# Altium PCB Original PCB.PcbDoc (part 2 of 2)
Units mm, origin at the board's own origin, x right, y up, seen from the top; angles counter-clockwise.
Board outline 135 x 90 mm, 2 copper layers (Top Layer, Bottom Layer); 88 components, 90 nets, 362 pads, 222 vias.
Unrouted connection lines stored in the file: 4.
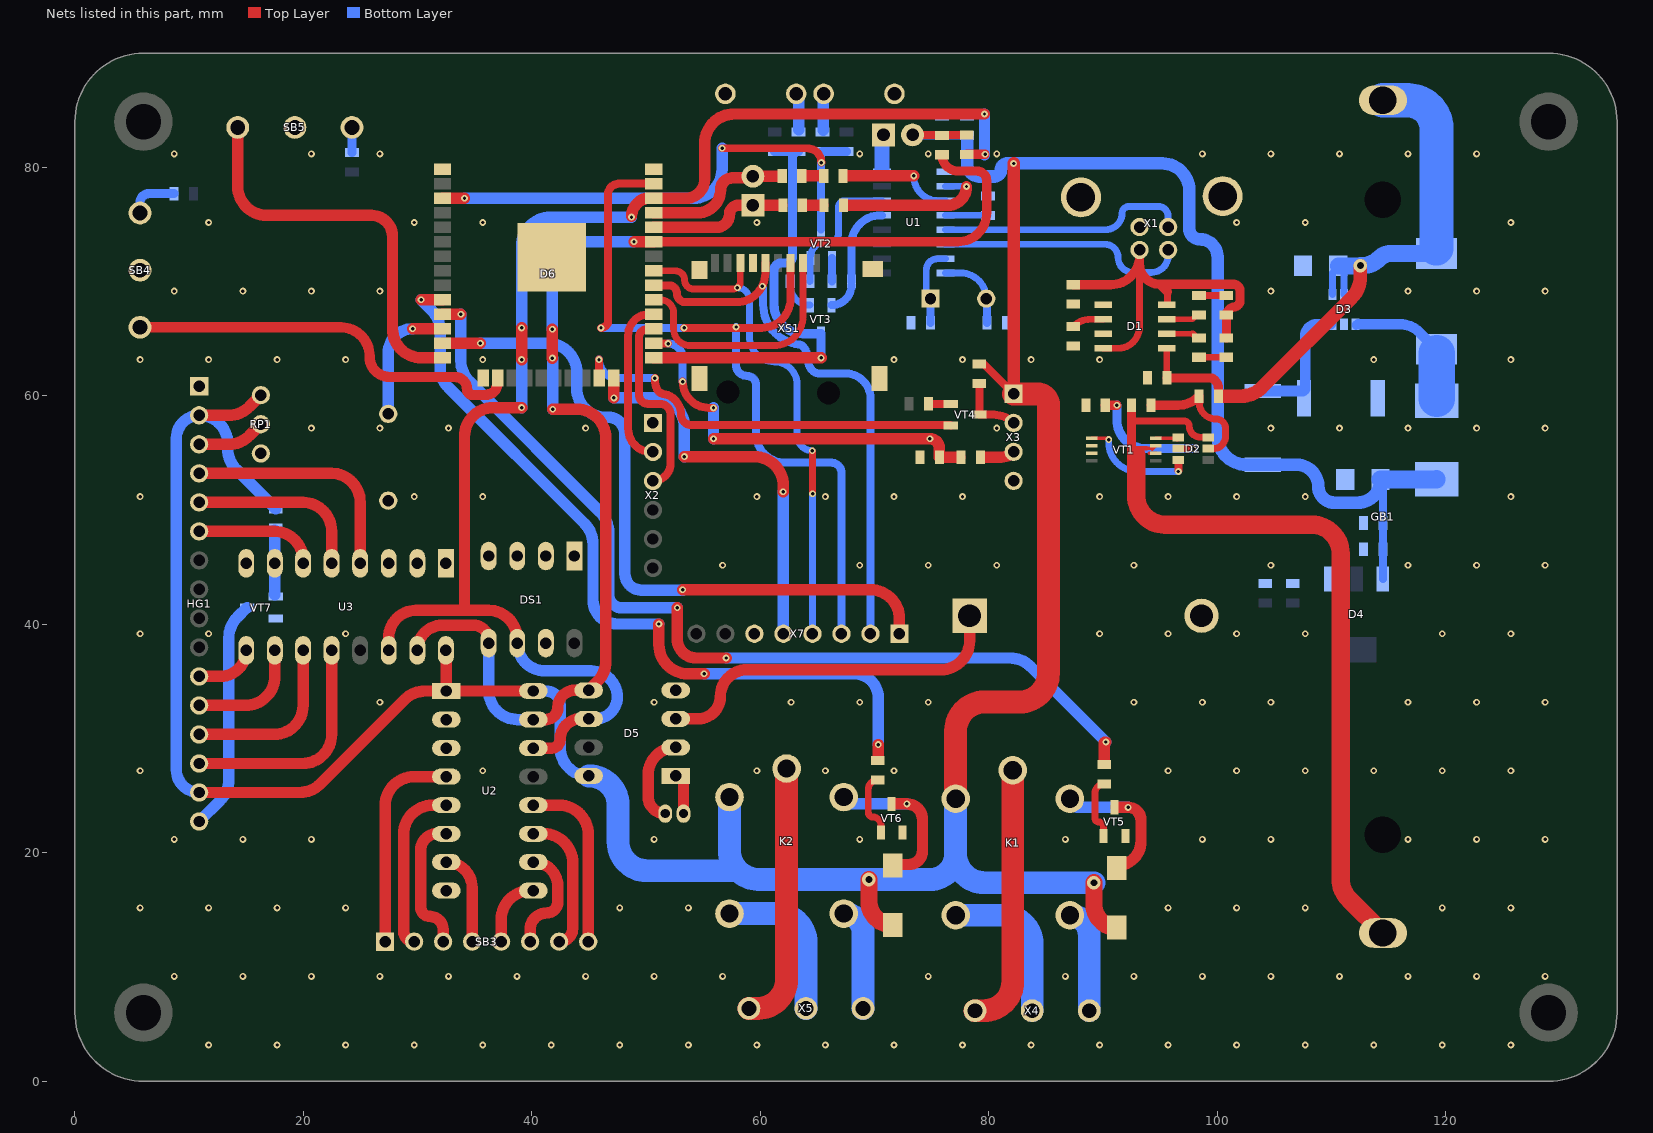
[diagram p2: the nets of this part, all layers, seen from the top]

## Via types
v1: diameter 0.6, hole 0.3, Top Layer to Bottom Layer, 159 vias
v2: diameter 0.6, hole 0.3, Top Layer to Bottom Layer, tented both sides, 60 vias
v3: diameter 1.2, hole 0.6, Top Layer to Bottom Layer, tented both sides, 3 vias

## Nets (pads, with @x,y where several pads share a name; then routed paths per layer and width w, separated by ;. In a path a pad name is that pad's centre, name@x,y a point inside that pad or via, vN(x,y) a via of type N, cw(c..) or ccw(c..) an arc to the next point about the centre after c; other vN are vias at no path point) (continued)
+5: D4.3 D5.8 HG1.2 HG1.15 J1.2 K1.2 K2.2 R7.2 R16.2 R24.1 R25.1 R26.1 RP1.1 U2.1 U2.16 U3.16 VD1.2 VD2.2 VD3.2 X3.1 С5.1 С6.1 С7.2 С11.2 С12.2 | length 331
  Top Layer w0.7: J1.2@73.325,82.85 75.85,82.85 cw(c75.85,82.8) R25.1@75.9,82.8 cw(c75.925,82.8) 75.925,82.825 R26.1@78.075,82.825 ; R16.2@79.172,62.796 79.552,62.796 X3.1@82.172,60.176
  Top Layer w1: HG1.15@10.872,25.278 19.676,25.278 ccw(c19.676,27.818) 21.472,26.022 28.869,33.419 cw(c30.665,31.623) 30.665,34.163 U2.1@32.517,34.163 ; HG1.2@10.872,58.298 13.46,58.298 ccw(c13.46,60.838) 15.256,59.042 RP1.1@16.272,60.058 ; U3.16@32.472,37.718 cw(c32.472,37.673) 32.517,37.673 U2.1@32.517,34.163 ; U2.16@40.137,34.163 U2.1@32.517,34.163
  Top Layer w1.1: X3.1@82.172,60.176 v2(82.172,80.338)
  Top Layer w1.5: v3(69.5,17.656) 69.5,15.775 ccw(c71.6,15.775) VD3.2@71.6,13.675 ; v3(89.2,17.375) 89.2,15.475 ccw(c91.2,15.475) VD2.2@91.2,13.475
  Top Layer w2: K1.2@77.1,24.725 77.1,30.66 cw(c79.64,30.66) 79.64,33.2 82.685,33.2 ccw(c82.685,35.74) 85.225,35.74 85.225,59.2 ccw(c84.248,59.2) 84.248,60.176 X3.1@82.172,60.176
  Bottom Layer w0.7: J1.2@73.375,82.8 С12.2@75.9,82.8 С11.2@78.1,82.8 ; D4.3@114.5,43.975 С7.2@114.5,46.575 С6.1@114.5,48.875 114.5,51.75
  Bottom Layer w1: HG1.15@10.872,25.278 cw(c10.872,27.275) 8.875,27.275 8.875,56.271 cw(c10.902,56.271) 10.872,58.297 cw(c10.902,56.271) 10.902,58.298 cw(c10.902,55.825) 13.375,55.825 13.375,55.367 ccw(c15.915,55.367) 14.119,53.571 R24.1@17.572,50.118 ; U2.16@40.137,34.163 41.237,34.163 cw(c41.237,32.925) 42.475,32.925 42.475,29.225 ccw(c44.975,29.225) D5.8@44.975,26.725
  Bottom Layer w1.1: J1.2@73.325,82.85 ccw(c73.375,82.85) J1.2@73.375,82.8 ; С11.2@78.107,82.528 78.1,82.528 78.1,80.275 ccw(c79.175,80.275) 79.175,79.2 80.49,79.2 ccw(c80.49,79.764) 81.054,79.764 cw(c81.64,79.764) 81.64,80.35 95.175,80.35 cw(c95.175,77.975) 97.55,77.975 97.55,74.65 ccw(c98.5,74.65) 98.5,73.7 cw(c98.5,72.175) 100.025,72.175 100.025,56.515 ccw(c102.565,56.515) 102.565,53.975 R7.2@104,53.975 106.925,53.975 cw(c106.925,52.05) 108.85,52.05 ccw(c110.25,52.05) 110.25,50.65 112.275,50.65 ccw(c112.275,52.675) С5.1@114.3,52.675
  Bottom Layer w1.6: С5.1@114.3,52.675 119.17,52.675 ccw(c119.17,52.705) VD1.2@119.2,52.705
  Bottom Layer w2: D5.8@44.975,26.725 45.01,26.725 cw(c45.01,24.185) 47.55,24.185 47.55,20.965 ccw(c50.09,20.965) 50.09,18.425 57.95,18.425 ; K2.2@57.301,24.875 57.301,20.215 ccw(c59.841,20.215) 59.841,17.675 v3@69.499,17.675 ; v3(69.5,17.656) 74.841,17.656 ccw(c74.841,19.915) 77.1,19.915 ; K1.2@77.1,24.725 77.1,19.915 ; v3(89.2,17.375) 79.64,17.375 cw(c79.64,19.915) 77.1,19.915
GND: C13.2 D1.1 D1.3 D3.2 D4.1 D5.4 D6.1 D6.15 D6.38 DS1.1 DS1.2 DS1.3 DS1.4 DS1.7 GB2.1 HA1.2 HG1.1 R3.1 R4.1 R6.2 R19.1 RP1.3 SB1.2 SB2.2 SB4.2 SB5.2 U1.1 U2.2 U2.3 U2.8 U3.1 U3.2 U3.3 U3.8 VT1.6 VT1.7 VT5.1 VT6.1 VT7.1 X1.4 X2.1 X3.4 X7.6 XS1.6 С1.2 С3.2 С4.2 С5.2 С6.2 С7.1 С8.1 С9.2 С10.1 С11.1 С12.1 С14.2
  other v1: 11.7,3.175 17.7,3.175 23.7,3.175 29.7,3.175 35.7,3.175 41.7,3.175 47.7,3.175 53.7,3.175 59.7,3.175 65.7,3.175 71.7,3.175 77.7,3.175 83.7,3.175 89.7,3.175 95.7,3.175 101.7,3.175 107.7,3.175 113.7,3.175 119.7,3.175 125.7,3.175 8.7,9.175 14.7,9.175 20.7,9.175 26.7,9.175 32.7,9.175 38.7,9.175 44.7,9.175 50.7,9.175 56.7,9.175 74.7,9.175 86.7,9.175 92.7,9.175 98.7,9.175 104.7,9.175 110.7,9.175 116.7,9.175 122.7,9.175 128.7,9.175 5.7,15.175 11.7,15.175 17.7,15.175 23.7,15.175 47.7,15.175 53.7,15.175 95.7,15.175 101.7,15.175 107.7,15.175 119.7,15.175 125.7,15.175 8.7,21.175 14.7,21.175 20.7,21.175 50.7,21.175 68.7,21.175 86.7,21.175 98.7,21.175 104.7,21.175 116.7,21.175 122.7,21.175 128.7,21.175 5.7,27.175 35.7,27.175 59.7,27.175 65.7,27.175 71.7,27.175 95.7,27.175 101.7,27.175 107.7,27.175 113.7,27.175 119.7,27.175 125.7,27.175 26.7,33.175 50.7,33.175 62.7,33.175 68.7,33.175 74.7,33.175 92.7,33.175 98.7,33.175 104.7,33.175 116.7,33.175 122.7,33.175 128.7,33.175 5.7,39.175 11.7,39.175 23.7,39.175 89.7,39.175 95.7,39.175 101.7,39.175 107.7,39.175 119.7,39.175 125.7,39.175 56.7,45.175 68.7,45.175 74.7,45.175 80.7,45.175 92.7,45.175 104.7,45.175 116.7,45.175 122.7,45.175 128.7,45.175 5.7,51.175 29.7,51.175 35.7,51.175 59.7,51.175 65.7,51.175 71.7,51.175 77.7,51.175 89.7,51.175 95.7,51.175 101.7,51.175 107.7,51.175 125.7,51.175 20.7,57.175 26.7,57.175 32.7,57.175 44.7,57.175 80.7,57.175 104.7,57.175 110.7,57.175 116.7,57.175 122.7,57.175 128.7,57.175 5.7,63.175 11.7,63.175 17.7,63.175 23.7,63.175 35.7,63.175 71.7,63.175 77.7,63.175 83.7,63.175 89.7,63.175 113.7,63.175 125.7,63.175 8.7,69.175 14.7,69.175 20.7,69.175 26.7,69.175 104.7,69.175 116.7,69.175 122.7,69.175 128.7,69.175 11.7,75.175 29.7,75.175 35.7,75.175 59.7,75.175 101.7,75.175 107.7,75.175 125.7,75.175 8.7,81.175 20.7,81.175 26.7,81.175 68.7,81.175 74.7,81.175 80.7,81.175 98.7,81.175 104.7,81.175 110.7,81.175 116.7,81.175 122.7,81.175
NetD1_2: D1.2 R3.2 | length 2.8
  Top Layer w0.6: R3.2@87.4,66.075 cw(c88.933,64.542) 88.933,66.71 D1.2@90.025,66.71
NetD1_4: D1.4 D1.8 HL1.1 HL2.1 X1.1 С1.1 | length 34.6
  Top Layer w0.6: D1.4@90.025,64.17 91.381,64.17 ccw(c91.381,65.894) 92.6,64.675 ccw(c91.151,66.124) 93.2,66.124 93.2,71.549 ; D1.8@95.637,67.98 95.637,69.112
  Top Layer w0.8: С1.1@87.4,69.725 90.66,69.725 ccw(c90.66,72.265) 93.2,72.265 93.2,71.549 ccw(c94.985,71.549) 94.985,69.765 ; 95.637,69.112 94.985,69.765 ; HL1.1@100.8,65.075 HL2.1@100.8,67.075 cw(c101.595,66.988) 101.484,67.781 ccw(c101.4,68.375) 102,68.375 102,69.175 ccw(c101.4,69.175) 101.4,69.775 94.995,69.775 94.985,69.765
NetD1_5: D1.5 D3.4 D3.5 GB1.2 L1.2 R5.2 С3.1 С4.1 | length 56.3
  Top Layer w0.6: D1.5@95.575,64.17 95.575,61.6 С3.1@95.6,61.575
  Top Layer w0.8: С3.1@95.6,61.575 99.317,61.575 cw(c99.317,60.892) 99.8,61.375 cw(c99.076,60.65) 100.1,60.65
  Top Layer w1.2: R5.2@100.338,59.975 102.098,59.975 ccw(c102.098,62.515) 103.894,60.719 111.781,68.606 ccw(c109.985,70.402) 112.525,70.402 v3(112.525,71.4) ; GB1.2@113.727,85.875 GB1.2@114.5,85.875
  Bottom Layer w0.6: D3.4@110.1,68.875 110.1,70.775 С4.1@110.6,71.275 ; D3.5@111.1,68.875 С4.1@111.1,70.775
  Bottom Layer w1.5: С4.1@110.6,71.375 111.1,71.375 v3@112.426,71.375 ; v3(112.525,71.4) 112.666,71.4 ccw(c112.666,73.534) 114.175,72.025 cw(c115.261,70.938) 115.261,72.475 119.152,72.475 L1.2@119.2,72.475
  Bottom Layer w3: GB1.2@114.5,85.875 116.66,85.875 cw(c116.66,83.335) 119.2,83.335 119.2,72.938 cw(c119.152,72.938) L1.2@119.152,72.89
NetD1_6: D1.6 R1.2 | length 3
  Top Layer w0.5: D1.6@95.575,65.44 R1.2@97.835,65.44
  Top Layer w0.6: R1.2@97.835,65.44 98.2,65.075 R1.2@98.4,65.075
NetD1_7: D1.7 R2.2 | length 3
  Top Layer w0.5: D1.7@95.575,66.71 97.835,66.71 98.2,67.075 R2.2@98.4,67.075
NetD2_1: D2.1 VT1.4 | length 2
  Top Layer w0.3: VT1.4@94.6,56.275 D2.1@96.5,56.275
  Top Layer w0.5: D2.1@96.5,56.275 D2.1@96.6,56.375
NetD2_2: D2.2 R4.2 | length 11.7
  Top Layer w0.6: D2.2@96.6,55.375 v2(97.9,55.375)
  Top Layer w0.8: R4.2@90.2,59.175 v2(91.209,59.175)
  Bottom Layer w0.8: v2(91.209,59.175) 91.209,57.915 ccw(c93.749,57.915) 93.749,55.375 v2(97.9,55.375)
NetD2_3: D2.3 VT1.5 | length 10.3
  Top Layer w0.3: VT1.5@89,56.275 90.319,56.275 90.419,56.175 v2(90.5,56.175)
  Top Layer w0.7: v2@96.6,53.475 D2.3@96.6,54.375
  Bottom Layer w0.6: v2(90.5,56.175) 90.5,55.915 ccw(c93.04,55.915) 93.04,53.375 v2(96.6,53.375)
NetD2_5: D2.5 R5.1 С2.2 | length 11
  Top Layer w0.6: R5.1@98.4,59.475 ccw(c99.9,59.475) 99.9,57.975 cw(c99.9,57.15) 100.725,57.15 100.725,56.45 cw(c99.65,56.45) D2.5@99.65,55.375
  Top Layer w0.8: С2.2@94.2,59.175 96.548,59.175 ccw(c96.548,61.715) 98.344,59.919 R5.1@98.4,59.975 98.4,59.973 R5.1@98.4,59.475
NetD2_6: D2.6 GB1.1 VT1.2 VT1.3 С2.1 | length 73
  Top Layer w0.3: 94.037,54.975 VT1.2@94.6,54.975 ; 94.037,55.409 94.247,55.409 94.315,55.34 VT1.3@94.6,55.625
  Top Layer w0.4: 92.902,55.407 93.843,55.407
  Top Layer w0.6: 92.5,57.8 97.1,57.8 cw(c97.1,57.35) 97.55,57.35 ccw(c98.525,57.35) 98.525,56.375 D2.6@99.2,56.375
  Top Layer w0.8: 92.5,54.824 92.5,57.8 С2.1@92.5,59.175
  Top Layer w1.6: 92.902,54.797 92.902,51.265 ccw(c95.442,51.265) 95.442,48.725 108.26,48.725 cw(c108.26,46.185) 110.8,46.185 110.8,17.727 ccw(c113.34,17.727) 111.544,15.931 GB1.1@114.5,12.975
NetD3_1: D3.1 L1.1 VD1.1 | length 11.9
  Bottom Layer w0.6: D3.1@112.1,66.275 112.1,66.125 D3.1@112.15,66.075
  Bottom Layer w0.9: D3.1@112.342,66.275 115.948,66.275 cw(c115.948,63.735) 117.744,65.531 L1.1@119.2,64.075
  Bottom Layer w3.2: VD1.1@119.2,59.748 L1.1@119.2,63.735
NetD3_3: D3.3 R6.1 R7.1 | length 11.4
  Bottom Layer w0.6: D3.3@109.964,66.268 D3.3@110.05,66.225
  Bottom Layer w0.9: R6.1@107.6,60.55 ccw(c107.6,60.65) 107.7,60.65 107.7,65.25 cw(c108.725,65.25) 108.725,66.275 D3.3@109.964,66.268
  Bottom Layer w1: R7.1@104,60.425 107.475,60.425 R6.1@107.6,60.55
NetD5_1: D5.1 Z2.2 | length 3.7
  Top Layer w1: D5.1@52.595,26.725 cw(c52.595,26.045) 53.275,26.045 Z2.2@53.275,23.425
NetD5_2: D5.2 Z2.1 | length 8
  Top Layer w1: Z2.1@51.675,23.425 cw(c51.675,24.925) 50.175,24.925 50.175,26.805 cw(c52.595,26.805) D5.2@52.595,29.225
NetD5_3: D5.3 GB2.2 | length 31.8
  Top Layer w1: D5.3@52.595,31.725 54.55,31.725 ccw(c54.55,33.675) 56.5,33.675 cw(c58.85,33.675) 58.85,36.025 75.784,36.025 ccw(c75.784,38.565) 78.324,38.565 GB2.2@78.324,40.75
NetD5_5: D5.5 D6.33 DS1.5 R25.2 U2.15 U3.15 | length 114
  Top Layer w0.8: D6.33@50.675,73.487 77.285,73.487 ccw(c77.285,76.027) 79.825,76.027 79.825,78.8 ccw(c78.95,78.8) 78.95,79.675 77.325,79.675 cw(c77.325,81.1) R25.2@75.9,81.1
  Top Layer w1: U3.15@29.972,37.718 cw(c32.179,37.718) 32.179,39.925 34.875,39.925 cw(c34.875,38.579) 36.221,38.579 DS1.5@36.221,38.359 ; U2.15@40.137,31.663 41.213,31.663 ccw(c41.213,32.725) 42.275,32.725 cw(c43.775,32.725) 43.775,34.225 D5.5@44.975,34.225 45.731,34.981 ccw(c43.935,36.777) 46.475,36.777 46.475,56.285 ccw(c43.935,56.285) 43.935,58.825 v2(41.825,58.825) ; v2(41.8,63.3) v2(41.8,65.825) ; v2(48.944,73.487) D6.33@50.675,73.487
  Bottom Layer w1: DS1.5@36.221,38.359 36.221,34.203 ccw(c38.761,34.203) 38.761,31.663 U2.15@40.137,31.663 ; v2(41.8,65.825) 41.8,70.947 cw(c44.34,70.947) 44.34,73.487 v2(48.944,73.487) ; v2(41.825,58.825) v2@41.825,63.3
NetD5_6: D5.6 D6.36 DS1.6 R26.2 U2.14 U3.14 | length 126.3
  Top Layer w0.8: R26.2@78.075,81.125 cw(c78.1,81.125) 78.1,81.15 v2(79.675,81.15)
  Top Layer w1: U3.14@27.472,37.718 27.472,38.822 cw(c29.875,38.822) 29.875,41.225 34.1,41.225 ; DS1.6@38.721,38.359 38.721,38.685 ccw(c36.181,38.685) 36.181,41.225 34.1,41.225 ; v2(39.1,58.975) 36.64,58.975 ccw(c36.64,56.435) 34.1,56.435 34.1,41.225 ; v2(39.1,63.175) v2(39.1,65.95) ; U2.14@40.137,29.163 41.713,29.163 ccw(c41.713,29.925) 42.475,29.925 cw(c44.275,29.925) 44.275,31.725 D5.6@44.975,31.725 ; v2@48.725,75.7 cw(c50.323,75.7) 49.393,76.999 ccw(c48.811,77.812) 49.466,77.057 cw(c49.925,76.528) 49.798,77.216 ccw(c49.617,78.2) 49.889,77.237 cw(c50.323,75.7) 50.323,77.297 D6.36@50.675,77.297 53.473,77.297 ccw(c53.473,78.95) 55.125,78.95 55.125,82.085 cw(c57.715,82.085) 57.715,84.675 v2(79.625,84.675)
  Bottom Layer w1: DS1.6@38.721,38.359 ccw(c41.155,38.359) 41.155,35.925 45.175,35.925 cw(c45.175,33.625) 47.475,33.625 cw(c45.575,33.625) 45.575,31.725 D5.6@44.975,31.725 ; v2(39.1,58.975) v2(39.1,63.175) ; v2(39.1,65.95) 39.1,73.11 cw(c41.64,73.11) 41.64,75.65 v2(48.725,75.65) ; v2@79.625,81.1 v2(79.625,84.675)
NetD6_3: D6.3 R14.1 R15.1 VT2.3 | length 46.2
  Top Layer w0.7: v2(56.65,81.675) 64.092,81.675 cw(c64.092,80.424) v2(65.343,80.424)
  Top Layer w1: D6.3@32.184,77.297 34.1,77.297 v2(34.1,77.3)
  Bottom Layer w0.7: VT2.3@65.325,74.574 65.325,81.277 cw(c65.445,81.277) 65.327,81.298 cw(c65.445,81.277) 65.332,81.318 cw(c65.445,81.277) 65.341,81.337 cw(c65.445,81.277) 65.353,81.354 cw(c65.445,81.277) 65.368,81.369 cw(c65.445,81.277) 65.385,81.381 cw(c65.445,81.277) 65.404,81.39 cw(c65.445,81.277) 65.424,81.395 cw(c65.445,81.277) R15.1@65.445,81.397
  Bottom Layer w0.8: R15.1@65.445,81.397 R14.1@67.545,81.397
  Bottom Layer w1: v2(34.1,77.3) 54.11,77.3 ccw(c54.11,79.84) 56.65,79.84 v2(56.65,81.675)
NetD6_10: D6.10 R21.1 | length 70
  Top Layer w1: v2(30.308,68.407) D6.10@32.184,68.407 ; v2(51.125,40.025) 51.125,38.215 ccw(c53.665,38.215) 53.665,35.675 v2(55.075,35.675) ; R21.1@70.325,28.239 v2(70.325,29.475)
  Bottom Layer w1: v2(30.308,68.407) 31.231,67.484 cw(c29.435,65.688) 31.975,65.688 31.975,62.45 ccw(c34.389,62.45) 32.682,60.743 44.606,48.819 cw(c42.81,47.023) 45.35,47.023 45.35,42.127 ccw(c47.452,42.127) 47.452,40.025 v2(51.125,40.025) ; v2(55.075,35.675) 68.21,35.675 cw(c68.21,33.56) 70.325,33.56 v2(70.325,29.475)
NetD6_11: D6.11 R20.1 | length 83.9
  Top Layer w1: D6.11@32.184,67.137 v2(33.787,67.137) ; v2(52.725,41.45) 52.725,38.725 ccw(c54.4,38.725) 54.4,37.05 v2(57,37.05) ; R20.1@90.109,27.977 90.109,29.559 cw(c90.25,29.559) v2(90.25,29.7)
  Bottom Layer w1: v2(33.787,67.137) 33.787,63.064 ccw(c36.327,63.064) 34.531,61.268 45.981,49.819 cw(c44.185,48.023) 46.725,48.023 46.725,42.6 ccw(c47.875,42.6) 47.875,41.45 v2(52.725,41.45) ; v2(57,37.05) 81.848,37.05 cw(c81.848,34.51) 83.644,36.306 v2(90.25,29.7)
NetD6_12: D6.12 HA1.1 | length 11.3
  Top Layer w1: v2(29.557,65.867) D6.12@32.184,65.867
  Bottom Layer w1: HA1.1@27.425,58.425 27.425,63.735 cw(c29.557,63.735) v2(29.557,65.867)
NetD6_13: D6.13 X7.1 | length 60.9
  Top Layer w1: D6.13@32.184,64.597 35.5,64.597 v2(35.5,64.6) ; v2(53.2,43.025) 69.64,43.025 cw(c69.64,40.485) 72.18,40.485 X7.1@72.18,39.175
  Bottom Layer w1: v2(35.5,64.6) 41.316,64.6 41.316,64.597 cw(c41.385,63.6) 41.385,64.6 cw(c41.385,62.06) 43.925,62.06 43.925,60.665 ccw(c46.465,60.665) 46.465,58.125 46.675,58.125 cw(c46.675,56.65) 48.15,56.65 48.15,44.425 ccw(c49.575,44.425) 49.575,43 v2@53.2,43
NetD6_14: D6.14 SB5.1 | length 35.1
  Top Layer w1: SB5.1@14.25,83.5 14.25,78.34 ccw(c16.79,78.34) 16.79,75.8 25.95,75.8 cw(c25.95,73.95) 27.8,73.95 27.8,65.867 ccw(c30.34,65.867) 30.34,63.327 D6.14@32.184,63.327
NetD6_16: D6.16 SB4.1 | length 35.8
  Top Layer w0.9: SB4.1@5.7,66 23.26,66 cw(c23.26,63.46) 25.8,63.46 25.8,63.4 ccw(c27.55,63.4) 27.55,61.65 33.275,61.65 cw(c33.275,60.6) 34.325,60.6 ccw(c34.85,60.6) 34.85,60.075 35.825,60.075 ccw(c35.825,61.26) 36.239,60.149 cw(c36.553,59.306) 36.372,60.188 ccw(c36.24,60.824) 36.87,60.663 cw(c37.742,60.44) 36.914,60.794 ccw(c35.825,61.26) 37.01,61.26 D6.16@37.01,61.575
NetD6_23: D6.23 VT4.1 | length 35.9
  Top Layer w0.7: v2(45.875,63.175) 45.875,61.6 ccw(c45.9,61.6) D6.23@45.9,61.575 ; v2(50.775,61.55) 50.775,61.389 ccw(c52.652,61.389) 50.963,60.571 ccw(c51.594,60.873) 51.492,60.18 cw(c51.225,58.375) 52.652,59.512 cw(c51.225,58.375) 53.05,58.375 ccw(c53.975,58.375) 53.975,57.45 54.75,57.45 76.618,57.45 VT4.1@76.672,57.396
  Bottom Layer w0.7: v2(45.875,63.175) ccw(c47.5,63.175) 47.5,61.55 v2@50.725,61.55
NetD6_24: D6.24 X7.5 | length 35.1
  Top Layer w1: D6.24@47.17,61.575 47.17,59.825 v2(47.175,59.825) ; v2(53.35,54.675) 59.48,54.675 cw(c59.48,52.135) 62.02,52.135 ccw(c62.02,52.115) 62,52.115 v2(62,51.6)
  Bottom Layer w1: v2(47.175,59.825) 50.81,59.825 cw(c50.81,57.285) 53.35,57.285 v2(53.35,54.675) ; X7.5@62,39.175 v2(62,51.6)
NetD6_25: D6.25 R12.1 R13.1 VT3.3 | length 39.2
  Top Layer w1: D6.25@50.675,63.327 65.322,63.327 v2(65.325,63.325)
  Bottom Layer w0.8: R13.1@61.25,81.4 63.345,81.4 R12.1@63.345,81.397 ccw(c63.345,80.877) 62.825,80.877 62.825,72.241 cw(c62.209,72.241) 62.209,71.625 61.825,71.625 ccw(c61.825,71) 61.2,71 61.2,67.98 ccw(c63.74,67.98) 63.74,65.44 VT3.3@65.29,65.44 cw(c65.29,65.405) 65.325,65.405 v2(65.325,63.325)
NetD6_26: D6.26 R18.1 R19.2 | length 34.8
  Top Layer w0.7: D6.26@50.675,64.597 ccw(c50.698,64.597) 50.698,64.575 v2(51.925,64.575) ; v2(53.2,61.25) ccw(c55.5,61.25) 55.5,58.95 v2(55.9,58.95)
  Top Layer w1: v2(55.9,56.25) v2(74.85,56.25) cw(c74.85,55.428) 75.672,55.428 R19.2@75.672,54.636 ; R19.2@75.763,54.636 R18.1@77.455,54.636
  Bottom Layer w0.7: v2(51.925,64.575) cw(c51.925,63.3) 53.2,63.3 v2(53.2,61.25)
  Bottom Layer w1: v2(55.9,56.25) v2(55.9,58.95)
NetD6_27: D6.27 X2.3 | length 17.2
  Top Layer w0.7: 49.375,62.795 49.375,60.1 ccw(c50.175,60.1) 50.175,59.3 51.225,59.3 cw(c51.225,58.375) 52.15,58.375 52.15,54.1 cw(c50.6,54.1) X2.3@50.6,52.55 ; 49.375,62.813 cw(c49.925,62.827) 49.375,62.827 49.375,63.828 cw(c49.925,63.828) 49.375,63.841 ; 49.375,63.856 49.375,64.065 ; 49.375,64.083 cw(c49.925,64.097) 49.375,64.097 49.375,65.098 cw(c50.144,65.098) 50.144,65.867 D6.27@50.675,65.867
NetD6_28: D6.28 X2.2 | length 14.8
  Top Layer w0.7: X2.2@50.6,55.09 50.465,55.09 cw(c50.465,57.13) 48.425,57.13 48.425,65.3 cw(c50.263,65.3) 50.263,67.137 D6.28@50.675,67.137
NetD6_29: D6.29 XS1.2 | length 22.1
  Top Layer w0.6: D6.29@50.675,68.407 51.267,68.407 cw(c51.267,67.275) 52.4,67.275 52.4,65.875 ccw(c53.875,65.875) 53.875,64.4 61.194,64.4 ccw(c61.194,66.94) 63.734,66.94 XS1.2@63.734,71.625
NetD6_30: D6.30 X7.2 XS1.5 | length 49.4
  Top Layer w0.7: D6.30@50.675,69.677 51.972,69.677 cw(c51.972,68.95) 52.7,68.95 ccw(c53.45,68.95) 53.45,68.2 57.892,68.2 ccw(c57.892,70.74) 60.432,70.74 XS1.5@60.432,71.625
  Bottom Layer w0.7: v2(60.175,69.6) cw(c59.55,69.284) 60.25,69.284 60.25,67.98 ccw(c63.74,67.98) 61.731,65.126 ccw(c63.74,67.98) 63.336,64.513 cw(c63.255,63.818) 63.826,64.223 cw(c62.074,62.975) 64.225,62.975 ccw(c65.25,62.975) 65.25,61.95 67.475,61.95 cw(c67.475,59.785) 69.64,59.785 X7.2@69.64,39.175
NetD6_31: D6.31 X7.4 XS1.7 | length 44.5
  Top Layer w0.6: D6.31@50.675,70.947 52.552,70.947 cw(c52.552,70.125) 53.375,70.125 ccw(c54.15,70.125) 54.15,69.35 57.6,69.35 ccw(c57.6,69.998) 58.248,69.998 XS1.7@58.248,71.625 ; v2(64.55,55.2) 64.56,55.2 v2@64.56,51.425
  Bottom Layer w0.6: v2(57.996,69.467) cw(c57.996,68.413) 59.05,68.413 59.05,65.175 ccw(c61.25,65.175) 61.25,62.975 cw(c61.25,61) 63.225,61 63.225,56.525 ccw(c64.55,56.525) v2(64.55,55.2) ; X7.4@64.56,39.175 64.56,51.425 v2(64.575,51.425)
NetD6_34: D6.34 HL5.2 X6.1 | length 12.6
  Top Layer w1: D6.34@50.675,74.757 56.183,74.757 ccw(c56.183,75.875) 57.3,75.875 cw(c58.11,75.875) 58.11,76.685 X6.1@59.35,76.685 59.36,76.675 HL5.2@61.873,76.675
  Bottom Layer w1: X6.1@59.35,76.685 X6.1@59.58,76.915
NetD6_35: D6.35 HL4.1 X6.2 | length 13.1
  Top Layer w1: D6.35@50.675,76.027 54.503,76.027 ccw(c54.503,78.05) 56.525,78.05 cw(c57.55,78.05) 57.55,79.075 59.2,79.075 X6.2@59.35,79.225 HL4.1@61.803,79.225
  Bottom Layer w1: X6.2@59.35,79.225 X6.2@59.46,79.115
NetD6_37: D6.37 X7.3 XS1.3 | length 71.6
  Top Layer w0.7: v2(46.05,65.951) ccw(c46.05,66.576) 46.675,66.576 46.675,77.65 cw(c47.593,77.65) 47.593,78.567 D6.37@50.675,78.567 ; v2(53.323,65.951) 60.102,65.951 ccw(c60.102,68.491) 62.642,68.491 XS1.3@62.642,71.625
  Bottom Layer w0.7: v2(46.05,65.951) v2(53.323,65.951) ; v2(57.875,66.025) 57.875,62.7 ccw(c58.825,62.7) 58.825,61.75 cw(c58.825,60.95) 59.625,60.95 59.625,56.69 ccw(c62.165,56.69) 62.165,54.15 66.21,54.15 cw(c66.21,53.26) 67.1,53.26 X7.3@67.1,39.175
NetHG1_3: HG1.3 RP1.2 | length 6
  Top Layer w1: HG1.3@10.872,55.758 13.46,55.758 ccw(c13.46,58.298) 15.256,56.502 RP1.2@16.272,57.518
NetHG1_4: HG1.4 U3.4 | length 20.9
  Top Layer w1: HG1.4@10.872,53.218 22.432,53.218 cw(c22.432,50.678) 24.972,50.678 U3.4@24.972,45.338
NetHG1_5: HG1.5 U3.5 | length 15.8
  Top Layer w1: HG1.5@10.872,50.678 19.932,50.678 cw(c19.932,48.138) 22.472,48.138 U3.5@22.472,45.338
NetHG1_6: HG1.6 U3.6 | length 10.8
  Top Layer w1: HG1.6@10.872,48.138 17.432,48.138 cw(c17.432,45.598) 19.972,45.598 U3.6@19.972,45.338
NetHG1_11: HG1.11 U3.9 | length 5.4
  Top Layer w1: HG1.11@10.872,35.438 12.717,35.438 ccw(c12.717,37.718) U3.9@14.997,37.718
NetHG1_12: HG1.12 U3.10 | length 10.3
  Top Layer w1: HG1.12@10.872,32.898 14.957,32.898 ccw(c14.957,35.438) 16.308,33.287 ccw(c15.778,34.134) 16.485,33.427 16.967,33.91 ccw(c16.26,34.617) 17.105,34.081 ccw(c14.957,35.438) 17.497,35.438 U3.10@17.497,37.718
NetHG1_13: HG1.13 U3.11 | length 15.4
  Top Layer w1: HG1.13@10.872,30.358 17.432,30.358 ccw(c17.432,32.898) 19.972,32.898 U3.11@19.972,37.718
NetHG1_14: HG1.14 U3.12 | length 20.4
  Top Layer w1: HG1.14@10.872,27.818 19.932,27.818 ccw(c19.932,30.358) 22.472,30.358 U3.12@22.472,37.718
NetHG1_16: HG1.16 VT7.3 | length 20.5
  Bottom Layer w1: HG1.16@11.136,22.738 HG1.16@10.872,22.738 12.731,24.597 ccw(c10.935,26.393) 13.475,26.393 13.475,38.818 cw(c16.015,38.818) 14.219,40.614 VT7.3@15.073,41.468
NetHL1_2: HL1.2 R1.1 | length 2.4
  Top Layer w0.6: R1.1@98.4,63.375 HL1.2@100.8,63.375
NetHL2_2: HL2.2 R2.1 | length 2.4
  Top Layer w0.6: R2.1@98.4,68.775 HL2.2@100.8,68.775
NetHL4_2: HL4.2 R8.1 | length 1.7
  Top Layer w1: HL4.2@63.729,79.25 R8.1@65.432,79.25
NetHL5_1: HL5.1 R9.1 | length 1.7
  Top Layer w1: HL5.1@63.777,76.675 R9.1@65.474,76.675
NetJ1_1: J1.1 U1.16 | length 2.9
  Bottom Layer w0.9: J1.1@70.669,82.733 J1.1@70.785,82.85
  Bottom Layer w1.3: 70.65,80.775 70.652,80.775 ; 70.652,79.961 70.652,80.775 ; J1.1@70.652,82.733 70.652,80.775
NetK1_1: K1.1 VD2.1 VT5.3 | length 14
  Top Layer w0.6: VD2.1@91,18.875 ccw(c91.2,18.875) VD2.1@91.2,18.675
  Top Layer w1: VD2.1@91,18.875 91.175,18.875 ccw(c91.175,21.025) 93.325,21.025 93.325,22.85 ccw(c92.2,22.85) v2(92.2,23.975) VT5.3@91.15,23.975
  Bottom Layer w1: K1.1@87.1,24.725 ccw(c87.851,24.725) 87.851,23.975 v2(92.2,23.975)
NetK1_3: K1.3 X4.3 | length 23.3
  Top Layer w2: X4.3@78.8,6.175 79.559,6.175 ccw(c79.559,8.715) 82.099,8.715 K1.3@82.099,27.225
NetK1_4: K1.4 X4.1 | length 9.3
  Bottom Layer w2: K1.4@87.1,14.525 cw(c87.1,12.825) 88.8,12.825 X4.1@88.8,6.175
NetK1_5: K1.5 X4.2 | length 14
  Bottom Layer w2: K1.5@77.1,14.525 81.26,14.525 cw(c81.26,11.985) 83.8,11.985 X4.2@83.8,6.175
NetK2_1: K2.1 VD3.1 VT6.3 | length 15.4
  Top Layer w0.6: VD3.1@71.5,18.975 ccw(c71.6,18.975) VD3.1@71.6,18.875
  Top Layer w1: VD3.1@71.5,18.975 73,18.975 ccw(c73,20.175) 74.2,20.175 74.2,22.9 ccw(c72.825,22.9) v2(72.825,24.275) VT6.3@71.691,24.275
  Bottom Layer w1: K2.1@67.301,24.875 ccw(c67.902,24.875) 67.902,24.275 v2(72.825,24.275)
NetK2_3: K2.3 X5.3 | length 23.2
  Top Layer w2: X5.3@59,6.375 59.76,6.375 ccw(c59.76,8.915) 62.3,8.915 K2.3@62.3,27.375
NetK2_4: K2.4 X5.1 | length 9.3
  Bottom Layer w2: K2.4@67.301,14.675 cw(c67.301,12.976) 69,12.976 X5.1@69,6.375
NetK2_5: K2.5 X5.2 | length 13.9
  Bottom Layer w2: K2.5@57.301,14.675 61.46,14.675 cw(c61.46,12.135) 64,12.135 X5.2@64,6.375
NetR8_2: R8.2 U1.3 | length 10.1
  Top Layer w1: R8.2@67.377,79.25 v2(73.425,79.25)
  Bottom Layer w0.6: v2(73.425,79.25) ccw(c75.601,79.25) 75.601,77.073 U1.3@76.202,77.073
NetR9_2: R9.2 U1.2 | length 13.5
  Top Layer w1: R9.2@67.392,76.675 76.4,76.675 ccw(c76.4,78.325) v2(78.05,78.325)
  Bottom Layer w0.6: U1.2@76.202,78.343 78.031,78.343 cw(c78.031,78.325) v2(78.05,78.325)
NetR10_1: R10.1 U1.13 VT3.1 | length 10.1
  Bottom Layer w0.7: VT3.1@66.24,67.939 ccw(c66.24,69.674) R10.1@67.975,69.674 ; R10.1@67.975,70.024 67.975,73.263 cw(c70.515,73.263) 70.515,75.803 U1.13@70.652,75.803
NetR10_2: R10.2 VT2.2 | length 2.1
  Bottom Layer w0.7: R10.2@66.275,70.024 VT2.2@66.275,72.075
NetR11_1: R11.1 U1.14 VT2.1 | length 12.2
  Bottom Layer w0.6: R11.1@64.325,70.024 ccw(c64.325,70.074) 64.375,70.074 VT2.1@64.375,72.075 cw(c65.775,72.075) 65.426,73.43 cw(c65.574,72.849) 65.576,73.449 65.675,73.449 ccw(c65.675,73.949) 65.782,73.461 cw(c65.911,72.875) 65.913,73.475 66.125,73.475 ccw(c66.125,74.2) 66.85,74.2 66.85,76.55 cw(c67.374,76.55) 67.374,77.073 U1.14@70.652,77.073
NetR11_2: R11.2 VT3.2 | length 3.1
  Bottom Layer w0.6: R11.2@62.625,70.024 62.625,69.654 ccw(c64.34,69.654) VT3.2@64.34,67.939
NetR12_2: R12.2 SB1.1 | length 3.2
  Bottom Layer w1: SB1.1@63.141,86.439 63.345,86.235 63.345,84.979 ; 63.325,85 cw(c63.325,84.979) 63.345,84.979 ; R12.2@63.345,83.309 63.345,84.979
NetR15_2: R15.2 SB2.1 | length 3.2
  Bottom Layer w1: R15.2@65.5,83.232 SB2.1@65.5,86.439
NetR16_1: R16.1 VT4.3 X3.2 | length 5.9
  Top Layer w0.7: VT4.3@79.171,58.346 80.457,58.346 cw(c80.457,55.922) X3.2@82.172,57.636 ; VT4.3@79.172,58.347 R16.1@79.172,61.096
NetR17_1: R17.1 VT4.2 | length 2
  Top Layer w0.7: R17.1@74.722,59.296 VT4.2@76.672,59.296
NetR18_2: R18.2 X3.3 | length 3.1
  Top Layer w1: R18.2@79.378,54.636 81.061,54.636 ccw(c81.061,56.207) X3.3@82.172,55.096 ccw(c82.075,55) X3.3@82.075,55.136
  Bottom Layer w1: X3.3@82.075,55.136 cw(c82.075,55) X3.3@82.172,55.096
NetR20_2: R20.2 VT5.2 | length 5.4
  Top Layer w0.6: VT5.2@90.05,21.475 90.05,22.25 ccw(c89.6,22.25) 89.6,22.701 cw(c89.6,23) 89.3,23 89.3,25.225 cw(c90.1,25.225) R20.2@90.1,26.025
NetR21_2: R21.2 VT6.2 | length 5.7
  Top Layer w0.6: R21.2@70.275,26.375 ccw(c70.275,25.55) 69.45,25.55 69.45,23.55 ccw(c69.875,23.55) 69.875,23.125 cw(c69.875,22.45) 70.55,22.45 VT6.2@70.55,21.775
NetR22_1: R22.1 SB4.3 | length 4.3
  Bottom Layer w0.8: SB4.3@5.7,76 5.7,76.925 cw(c6.475,76.925) 6.475,77.7 R22.1@8.675,77.7
NetR23_1: R23.1 SB5.3 | length 2.2
  Bottom Layer w0.8: R23.1@24.25,81.3 SB5.3@24.25,83.5
NetR24_2: R24.2 U3.7 VT7.2 | length 5.6
  Bottom Layer w1: VT7.2@17.497,42.599 U3.7@17.497,45.338 R24.2@17.497,48.237
NetSB3_1: SB3.1 U2.4 | length 18.7
  Top Layer w1: SB3.1@27.152,12.218 27.152,24.123 cw(c29.692,24.123) 29.692,26.663 U2.4@32.517,26.663
NetSB3_2: SB3.2 U2.5 | length 15.1
  Top Layer w1: SB3.2@29.692,12.218 cw(c29.692,13.135) 28.775,13.135 28.775,21.623 cw(c31.315,21.623) 31.315,24.163 U2.5@32.517,24.163
NetSB3_3: SB3.3 U2.6 | length 12.2
  Top Layer w1: SB3.3@32.232,12.218 32.232,13.268 ccw(c31.075,13.268) 31.075,14.425 cw(c31.075,15.225) 30.275,15.225 30.275,20.225 cw(c31.713,20.225) 31.713,21.663 U2.6@32.517,21.663
NetSB3_4: SB3.4 U2.7 | length 8.3
  Top Layer w1: U2.7@32.517,19.188 cw(c32.517,16.933) 34.772,16.933 SB3.4@34.772,12.218
NetSB3_5: SB3.5 U2.9 | length 6.2
  Top Layer w1: SB3.5@37.312,12.218 37.312,14.148 cw(c39.852,14.148) 39.852,16.688 U2.9@40.137,16.688
NetSB3_6: SB3.6 U2.10 | length 9.6
  Top Layer w1: SB3.6@39.852,12.218 39.852,13.302 cw(c41.275,13.302) 41.275,14.725 ccw(c41.275,15.725) 42.275,15.725 42.275,17.05 ccw(c40.137,17.05) U2.10@40.137,19.188
NetSB3_7: SB3.7 U2.11 | length 12.5
  Top Layer w1: U2.11@40.137,21.663 41.035,21.663 cw(c41.035,19.123) 43.575,19.123 43.575,13.401 cw(c42.392,13.401) SB3.7@42.392,12.218
NetSB3_8: SB3.8 U2.12 | length 15.7
  Top Layer w1: U2.12@40.137,24.163 42.392,24.163 cw(c42.392,21.623) 44.932,21.623 SB3.8@44.932,12.218
NetU1_4: U1.4 С10.2 | length 3.7
  Bottom Layer w0.6: U1.4@76.202,75.803 79.925,75.803 С10.2@79.925,75.8
NetU1_5: U1.5 X1.3 | length 22.1
  Bottom Layer w0.6: U1.5@76.202,74.543 90.219,74.543 ccw(c90.219,76) 91.675,76 cw(c92.25,76) 92.25,76.575 94.85,76.575 cw(c94.85,75.725) 95.7,75.725 X1.3@95.7,74.775
NetU1_6: U1.6 X1.2 | length 22.3
  Bottom Layer w0.6: U1.6@76.202,73.273 90.151,73.273 cw(c90.151,72.1) 91.325,72.1 ccw(c92.625,72.1) 92.625,70.8 94.225,70.8 ccw(c94.225,72.275) 95.7,72.275 X1.2@95.7,72.775
NetU1_7: U1.7 Z1.1 С14.1 | length 7.1
  Bottom Layer w0.6: Z1.1@74.9,68.512 cw(c74.9,68.887) 74.525,68.887 74.525,71.012 cw(c75.516,71.012) 75.516,72.003 U1.7@76.202,72.003
  Bottom Layer w0.7: Z1.1@74.9,68.512 74.9,66.387 С14.1@74.902,66.387
NetU1_8: C13.1 U1.8 Z1.2 | length 7
  Bottom Layer w0.6: U1.8@76.202,70.753 77.536,70.753 cw(c77.536,68.512) Z1.2@79.777,68.512
  Bottom Layer w0.7: Z1.2@79.777,68.512 cw(c79.777,68.437) 79.852,68.437 C13.1@79.852,66.387
pads on no net: D2.4 D3.6 D4.4 D5.7 D6.4 D6.5 D6.6 D6.7 D6.8 D6.9 D6.17 D6.18 D6.19 D6.20 D6.21 D6.22 D6.32 GB1. HG1.7 HG1.8 HG1.9 HG1.10 U1.9 U1.10 U1.11 U1.12 U1.15 U2.13 U3.13 VT1.1 VT1.8 X2.5 X2.6 X7.7 XS1. XS1.1 XS1.8 XS1.9

## Polygon pours and split planes (outlines as drawn)
GND on Top Layer "Bottom Layer GND" (solid, remove dead copper, pour order 15): -1,90 -1,0 136,0 136,90
NetD2_6 on Top Layer "N" (solid, remove dead copper, pour order 7): 93.702,54.827 93.707,54.827 93.707,57.8 92.655,57.8 92.655,55.651
GND on Bottom Layer "Bottom Layer GND" (solid, remove dead copper, pour order 14): -1,90 -1,0 136,0 136,90

## Keep-outs
Top Layer:
  region: 93.694,56.189
Keep-Out Layer:
  lines w0.5: 27.6,90.019 27.6,80.8 53.95,80.8 53.95,90
  lines w1: 0,6 ccw(c6,6) 6,0 129,0 ccw(c129,6) 135,6 135,84 ccw(c129,84) 129,90 6,90 ccw(c6,84) 0,84 0,6

## Other copper
Top Layer:
  rectangle net NetD2_6: 92.319,54.824 95.097,55.783
  rectangle net NetD1_4: 94.799,67.98 96.354,69.405
  region net NetD2_6: 93.833,56.403
  region net NetD2_6: 68.187,89.184
  region net NetD2_6: 68.187,89.184
  region net NetD2_6: 93.6,58.875
Bottom Layer:
  rectangle net NetD1_5: 109.751,68.375 111.447,70.775

## Silkscreen, mask and mechanical layers (free items; w line width, h text height)
Top Overlay:
  text "BOOT" at 56.8,83.2 h2
  text "RESET" at 65.541,83.1 h2
  text "GND" at 29.272,79.345 h1
  text "GND" at 51.622,79.32 h1
  text "3V3" at 29.372,78.095 h1
  text "IO23" at 51.647,78.045 h1
  text "TX / <<" at 55.241,78.015 h2
  text "EN" at 29.372,76.82 h1
  text "IO22" at 51.622,76.795 h1
  text "VP" at 29.372,75.52 h1
  text "TX0" at 51.622,75.52 h1
  text "RX / >>" at 55.238,75.315 h2
  text "VN" at 29.379,74.265 h1
  text "RX0" at 51.622,74.27 h1
  text "IO34" at 29.372,72.985 h1
  text "IO21" at 51.622,72.995 h1
  text "IO35" at 29.372,71.72 h1
  text "NC" at 51.622,71.72 h1
  text "IO32" at 29.372,70.445 h1
  text "IO19" at 51.622,70.445 h1
  text "IO33" at 29.372,69.195 h1
  text "IO18" at 51.622,69.195 h1
  text "IO5" at 51.597,67.92 h1
  text "IO25" at 29.379,67.902 h1
  text "IO26" at 29.372,66.67 h1
  text "IO17" at 51.612,66.64 h1
  text "IO16" at 51.639,65.396 h1
  text "IO27" at 29.385,65.375 h1
  text "IO14" at 29.38,64.109 h1
  text "IO4" at 51.63,64.101 h1
  text "IO12" at 29.38,62.833 h1
  text "IO0" at 51.612,62.834 h1
  text "GND" at 35.211,60.612 h1 r270
  text "IO13" at 36.48,60.619 h1 r270
  text "SD2" at 37.755,60.619 h1 r270
  text "SD3" at 39.03,60.619 h1 r270
  text "CMD" at 40.297,60.615 h1 r270
  text "CLK" at 41.58,60.619 h1 r270
  text "SD0" at 42.849,60.625 h1 r270
  text "SD1" at 44.111,60.619 h1 r270
  text "IO15" at 45.361,60.619 h1 r270
  text "IO2" at 46.661,60.619 h1 r270
Внутренние Вырезы:
  the board outline again, w1

## Dimensions
0,84 to 135,84 on Размеры
6,0 to 6,90 on Размеры

## Text inside footprints (layer, text, board x,y; h text height)
HA1: Top Overlay "+" at 28.891,58.797 h1.27 r269.98